# Altium PCB EPROM Emulator NG 2.PcbDoc (part 1 of 2) (continued)
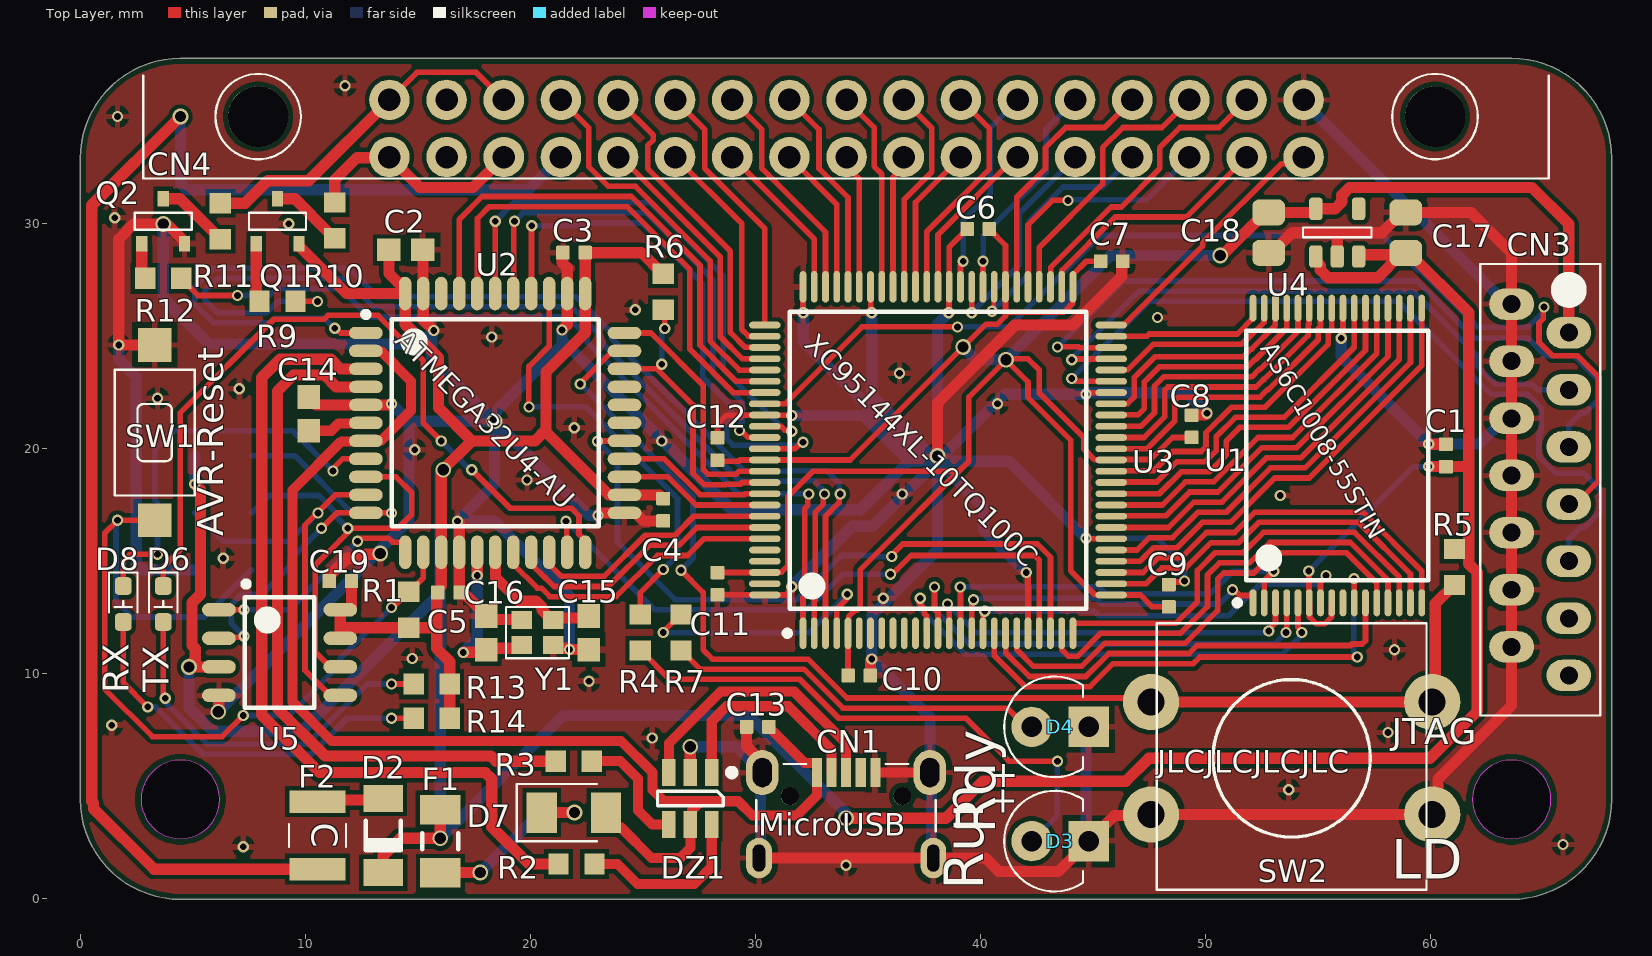
[diagram p0: Top Layer view]
## Part data
C1 C3 C4 C5 C6 C7 C8 C9 C10 C11 C12 C13 C19: library part CMP-Capacitors-Ceramic_Capacitors-00034-3, "CAP CER 0.1UF 10V X7R 0402", Case Code (Imperial)=0402, Case Code (Metric)=1005, Dielectric=X7R, Max Operating Temperature=125°C, Min Operating Temperature=-55°C, Package Quantity=1, Tolerance=10%, Voltage=10V, Capacitance=100nF, Case/Package=0402, Depth=0.5mm, Dissipation Factor=0.035%, Height=0.5mm, Lead Free="Lead Free", Length=1mm, Mount="Surface Mount", Number of Pins=2, Packaging="Tape and Reel", Radiation Hardening=No, REACH SVHC="No SVHC", Termination=SMD/SMT, Thickness=0.022inch, Voltage Rating=10V, Voltage Rating (DC)=10V, Width=0.02inch
C2 C14: library part CMP-Capacitors-Ceramic_Capacitors-00014-1, "KEMET 1F Multilayer Ceramic Capacitor (MLCC) 25 V 10% X7R dielectric C SMD max op. temp. +125C", Capacitance=1uF, Case Code (Imperial)=0603, Case Code (Metric)=1608, Dielectric=X7R, Dielectric Material=Ceramic, Max Operating Temperature=125°C, Min Operating Temperature=-55°C, Package Quantity=1, Tolerance=10%, Voltage=25V, Case/Package=0603, Depth=0.8mm, Dissipation Factor=5%, Height=0.8mm, Length=1.6mm, Mount="Surface Mount", Packaging="Tape and Reel", REACH SVHC="No SVHC", Termination=SMD/SMT, Thickness=0.034inch, Voltage Rating=25V, Voltage Rating (DC)=25V, Width=0.031inch
C15 C16: library part CMP-Capacitors-Ceramic_Capacitors-00013-1, "22.0PF 50.0V", Capacitance=2.2E-11F, Case/Package=0603, Dielectric=X7R, Dielectric Material=Ceramic, Tolerance=5%, Voltage Rating (DC)=50V
C17 C18: library part CMP-Capacitors-Ceramic_Capacitors-00016-2, "KEMET - C0805C106K8RACTU - CAP, 10µF, 10V, 10%, X7R, 0805", Capacitance=10uF, Case Code (Imperial)=0805, Case Code (Metric)=2012, Dielectric=X7R, Dielectric Material=Ceramic, Max Operating Temperature=125°C, Min Operating Temperature=-55°C, Package Quantity=1, Tolerance=10%, Voltage=10V, Case/Package=0805, Depth=1.25mm, Dissipation Factor=7.5%, Height=1.25mm, Length=2mm, Mount="Surface Mount,PCB", Packaging="Tape and Reel", REACH SVHC="No SVHC", Termination=SMD/SMT, Thickness=0.055inch, Voltage Rating=10V, Voltage Rating (DC)=10V, Width=1.2mm
CN1: library part CMP-Connectors-USB_Connectors-00001-1, "Socket micro-USB B 5P, 629105150521, Würth Elektronik", Connector Type=USB, Contact Material="Copper Alloy", Contact Plating=Gold, Features=Shielded, Gender=Receptacle, Lead Free="Lead Free", Mount="Surface Mount,Horizontal", Number of Contacts=5, Orientation="Right Angle", Packaging="Tape and Reel", REACH SVHC=Unknown, Termination=SMD/SMT, USB Standard="USB 2.0"
CN2: library part CMP-Connectors-00012-2, "SMD Pad Connector 02x03 odd even"
CN3: library part CMP-Connectors-IDC_Connectors-00033-2, "Grid pitch: 1.27 mm BL2/15-0400GTT-014 RU MPE Garry Conten", Contact Material=Bronze,Tin, Height=3.95mm, Insulation Material=Thermoplastic, Length=19.7mm, Pitch=1.27mm, Width=5mm
CN4: library part CMP-Connectors-IDC_Connectors-00029-1, "Conn Ejector Header HDR 34 POS 2.54mm Solder RA Thru-Hole Loose Piece", Color=Black, Contact Current Rating=1A, Flammability Rating="UL94 V-0", Insulation Resistance=5GR, Max Operating Temperature=105°C, Min Operating Temperature=-65°C, Package Quantity=24, Board Standoff="No (Without)", Connector System=Board-to-Board, Connector Type=Plug,Header,Pin, Contact Material=Brass, Contact Mating Length=0.24inch, Contact Plating=Gold,Tin,Matte, Contact Post Length=2.79mm, Contact Shape=Square, ELV=Compliant, Fastening Type=Latch, Height=13.94mm, Housing Color=Black, Housing Material=Nylon, Lead Free="Lead Free", Length=2.46inch, Mating Alignment="Yes (With)", Mating Connector Lock="Yes (With)", Mating Retention="Yes (With)", Mount="Through Hole", Number of Contacts=34, Number of Positions=34, Number of Rows=2, Orientation="Right Angle", Packaging=Tray, PCB Mount Alignment="No (Without)", PCB Mount Retention=Without, PCB Mounting Orientation="Right Angle", PCB Thickness=1.57mm, Pitch=2.54mm, Plating Thickness=0.76um, Radiation Hardening=No, Row Spacing=2.54mm, Shrouded="Yes (With)", Shrouded End Dimension=3.81mm, Termination="Through Hole"
D2: library part CMP-Diodes-00019-1, "STMICROELECTRONICS         TMMBAT48FILM..             Small Signal Schottky Diode, Single, 40 V, 350 mA, 900 mV, 7.5 A, 125 C", Average Rectified Current=350mA, Capacitance=20pF, Case/Package=MELF, Forward Voltage=900mV, Max Forward Surge Current (Ifsm)=7.5A, Max Operating Temperature=125°C, Max Power Dissipation=330mW, Max Repetitive Reverse Voltage (Vrrm)=40V, Max Reverse Current=25uA, Min Operating Temperature=-65°C, Package Quantity=1, Current Rating=350mA, Element Configuration=Single, Forward Current=350mA, Height=1.62mm, Lead Free="Lead Free", Length=3.4mm, Max Reverse Leakage Current=25uA, Max Reverse Voltage (DC)=40V, Max Surge Current=7.5A, Mount="Surface Mount", Number of Pins=2, Output Current=350mA, Outside Diameter=1.62mm, Packaging="Tape and Reel", Peak Non-Repetitive Surge Current=7.5A, Polarity=Standard, Radiation Hardening=No, REACH SVHC="No SVHC", Recovery Time=10ns, Reverse Recovery Time=10ns, Termination=SMD/SMT, Voltage Rating (DC)=40V, Weight=0.01lb, Width=1.62mm
D3: library part CMP-LEDs-00000-4, "WURTH ELEKTRONIK   151033RS03000   LED, 3MM,  RED, 2600MCD, 621NM", Case/Package=Radial, Color=Red, Forward Current=30mA, Forward Voltage=2V, Max Operating Temperature=85°C, Min Operating Temperature=-40°C, Package Quantity=1, Test Current=20mA, Dominant Wavelength=621nm, Height=5.55mm, Lens Size=3mm, Lens Style=Clear,Circular,Round, Luminous Intensity=2600mcd, Mount="Through Hole", Packaging=Bulk, REACH SVHC=Unknown, Viewing Angle=30°, Wavelength=621nm
D4: library part CMP-LEDs-00007-1, "WURTH ELEKTRONIK - 151033GS03000 - LED, Green, T-1 (3mm), 530 nm, 3.2 V, 30 mA, 15 cd RoHS Compliant: Yes", Case/Package=Radial, Color=Green, Forward Current=30mA, Forward Voltage=3.2V, Max Operating Temperature=85°C, Min Operating Temperature=-40°C, Package Quantity=1, Test Current=20mA, Dominant Wavelength=530nm, Height=5.55mm, Lens Size=3mm, Lens Style=Clear,Round,Circular, Luminous Intensity=15000mcd, Mount="Through Hole", Packaging=Bulk, REACH SVHC=Unknown, Viewing Angle=30°, Wavelength=530nm
D6 D8: library part CMP-LEDs-00003-2, "LED YELLOW DIFFUSED 0603 SMD", Case Code (Imperial)=0603, Case Code (Metric)=1608, Color=Yellow, Forward Voltage=2V, Test Current=20mA, Case/Package=0603, Dominant Wavelength=589nm, Height=0.5mm, Length=1.6mm, Lens Size=0.8mm, Lens Style=Flat, Lens Transparency=Diffused, Luminous Intensity=100mcd, Mount="Surface Mount", Packaging="Cut Tape", Viewing Angle=140°, Width=0.8mm
D7: library part CMP-Diodes-00014-2, "DIODE SCHOTTKY 40V 1A DO221AC", Average Rectified Current=1A, Max Reverse Voltage (DC)=40V, Mount="Surface Mount", Packaging="Tape and Reel"
DZ1: library part CMP-Diodes-00005-3, "TVS DIODE 5.25V 17V SOT23-6", Breakdown Voltage=6V, Capacitance=3.5pF, Case/Package=SOT-23, Clamping Voltage=17V, Leakage Current=150nA, Max Operating Temperature=125°C, Min Operating Temperature=-40°C, Operating Supply Voltage=1.1V, Package Quantity=3000, Peak Pulse Current=5A, Power Line Protection=Yes, Reverse Standoff Voltage=5.25V, Test Current=1mA, Working Voltage=5V, Contact Plating=Tin,Matte, Data Rate=480Mbps, Depth=1.75mm, Direction=Unidirectional,Bidirectional, Element Configuration=Dual, ESD Protection=Yes, Height=1.3mm, Lead Free="Lead Free", Length=3.05mm, Max Breakdown Voltage=6V, Max Reverse Leakage Current=150nA, Min Breakdown Voltage=6V, Mount="Surface Mount", Number of Bidirectional Channels=2, Number of Channels=2, Number of Elements=1, Number of Pins=6, Packaging="Tape and Reel", Polarity=Unidirectional,Bidirectional, Radiation Hardening=No, REACH SVHC="No SVHC", Reverse Breakdown Voltage=6V, Termination=SMD/SMT, Width=1.75mm
F1: library part CMP-Fuses-0001-1, "PTC RESET FUSE 8V 1.5A 1206", Case Code (Imperial)=1206, Case Code (Metric)=3216, Current Rating=100A, Hold Current=1.5A, Max Operating Temperature=85°C, Max Voltage Rating (DC)=8V, Min Operating Temperature=-40°C, Package Quantity=3000, Power Dissipation=800mW, Resistance=120mR, Trip Current=3A, Working Voltage=6V, Approvals=cULus,TUV, Case/Package=1206, Height=0.75mm, Lead Free="Lead Free", Length=3.4mm, Max Current Rating=100A, Operating Supply Voltage=8V, Packaging="Tape and Reel", REACH SVHC=Unknown, Terminal Material=Copper, Termination=SMD/SMT, Time to Trip=0.3s, Voltage Rating=8V, Voltage Rating (DC)=8V, Width=1.8mm
F2: library part CMP-Fuses-0003-1, "LITTELFUSE - 1210L020WR - PPTC Resettable Fuse, SMD, POLYFUSE 1210L Series, 200 mA, 400 mA, 30 VDC, -40 °C", Case Code (Imperial)=1210, Case Code (Metric)=3225, Current Rating=10A, Hold Current=200mA, Max Operating Temperature=85°C, Max Voltage Rating (DC)=30V, Min Operating Temperature=-40°C, Package Quantity=3000, Power Dissipation=600mW, Resistance=5R, Trip Current=400mA, Approvals=cULus,TUV, Case/Package=1210, Height=1mm, Lead Free="Lead Free", Length=3.43mm, Max Current Rating=10A, Operating Supply Voltage=30V, Packaging="Tape and Reel", REACH SVHC="No SVHC", Terminal Material=Copper, Termination=SMD/SMT, Time to Trip=0.02s, Voltage Rating=30V, Voltage Rating (DC)=30V, Width=2.8mm, Working Voltage=30V
Q1: library part CMP-Transistors-00012-1, "ON SEMICONDUCTOR - MMBT4403LT1G - Bipolar (BJT) Single Transistor, General Purpose, PNP, -40 V, 200 MHz, 300 mW, -600 mA, 200 RoHS Compliant: Yes", Case/Package=SOT-23-3, Collector Base Voltage (VCBO)=40V, Collector Emitter Saturation Voltage=-750mV, Current Rating=-600mA, Emitter Base Voltage (VEBO)=5V, Frequency=200MHz, Max Collector Current=600mA, Max Operating Temperature=150°C, Max Power Dissipation=300mW, Min Operating Temperature=-55°C, Package Quantity=1, Voltage Rating (DC)=-40V, Collector Emitter Breakdown Voltage=40V, Collector Emitter Voltage (VCEO)=40V, Contact Plating=Tin,Matte, Element Configuration=Single, Gain Bandwidth Product=200MHz, Height=1.01mm, hFE Min=30, Lead Free="Lead Free", Length=3.04mm, Max Breakdown Voltage=40V, Max Frequency=200MHz, Number of Elements=1, Number of Pins=3, Packaging="Tape and Reel", Polarity=PNP, Power Dissipation=300mW, Radiation Hardening=No, REACH SVHC="No SVHC", Transition Frequency=200MHz, Width=1.4mm
Q2: library part CMP-Transistors-00013-1, "ON SEMICONDUCTOR - MMBT4401 - TRANSISTOR, NPN, SMD, SOT-23", Case/Package=SOT-23, Collector Base Voltage (VCBO)=60V, Collector Emitter Breakdown Voltage=40V, Collector Emitter Saturation Voltage=750mV, Current Rating=500mA, Emitter Base Voltage (VEBO)=6V, Frequency=250MHz, Max Collector Current=600mA, Max Operating Temperature=150°C, Max Power Dissipation=350mW, Min Operating Temperature=-55°C, Package Quantity=1, Collector Emitter Voltage (VCEO)=40V, Contact Plating=Tin,Matte, Element Configuration=Single, Gain Bandwidth Product=250MHz, Height=0.25inch, hFE Min=100, Lead Free="Lead Free", Length=0.25inch, Max Breakdown Voltage=40V, Max Frequency=250MHz, Mount="Surface Mount", Number of Elements=1, Number of Pins=3, Packaging="Tape and Reel", Polarity=NPN, Power Dissipation=350mW, Radiation Hardening=No, REACH SVHC="No SVHC", Transition Frequency=250MHz, Turn-Off Delay Time=255ns, Turn-On Delay Time=35ns, Voltage Rating (DC)=40V, Weight=0.03g, Width=0.25inch
R1 R4 R7 R13 R14: library part CMP-Resistors-Yageo_SMD_060300002-2, "RES SMD 1K OHM 1% 1/10W 0603", Case Code (Imperial)=0603, Case Code (Metric)=1608, Max Operating Temperature=155°C, Min Operating Temperature=-55°C, Power Rating=100mW, Resistance=1kR, Resistor Type="Thick Film", Temperature Coefficient=100ppm/°C, Tolerance=1%, Voltage Rating=50V, Case/Package=0603, Contact Plating=Tin,Matte, Depth=0.8mm, Height=0.45mm, Lead Free="Lead Free", Length=1.6mm, Military Standard=Not, Packaging="Tape and Reel", Radiation Hardening=No, REACH SVHC="No SVHC", Termination=SMD/SMT
R2 R3: library part CMP-Resistors-Yageo_SMD_0805-0172-1, "RES SMD 22 OHM 1% 1/10W 0603", Case Code (Imperial)=0603, Case Code (Metric)=1608, Max Operating Temperature=155°C, Max Power Dissipation=100mW, Min Operating Temperature=-55°C, Package Quantity=1, Resistance=22R, Temperature Coefficient=100ppm/°C, Tolerance=1%, Voltage Rating=50V, Case/Package=0603, Composition="Thick Film", Depth=0.8mm, Features="Moisture Resistant", Height=0.022inch, Lead Free="Lead Free", Length=1.6mm, Military Standard=Not, Number of Pins=2, Number of Terminations=2, Packaging="Tape and Reel", Power Rating=100mW, REACH SVHC="No SVHC", Termination=SMD/SMT, Voltage Rating (DC)=50V, Width=0.031inch
R5 R6 R9: library part CMP-Resistors-Yageo_SMD_0805-0170-1, "RES SMD 10K OHM 1% 1/10W 0603", Case Code (Imperial)=0603, Case Code (Metric)=1608, Max Operating Temperature=155°C, Min Operating Temperature=-55°C, Power Rating=100mW, Resistance=10kR, Temperature Coefficient=100ppm/°C, Tolerance=1%, Voltage Rating=75V, Voltage Rating (DC)=50V, Case/Package=0603, Composition="Thick Film", Depth=0.8mm, Height=0.45mm, Lead Free="Lead Free", Lead Pitch=0.3mm, Length=1.6mm, Military Standard=Not, Number of Pins=2, Packaging="Tape and Reel", REACH SVHC="No SVHC", Termination=SMD/SMT, Weight=7.1E-05oz, Width=0.8mm
R10 R11: library part CMP-Resistors-Yageo_SMD_060300004-2, "YAGEO (PHYCOMP) - RC0603FR-0710RL - RES, THICK FILM, 10R, 1%, 0.1W, 0603", Case Code (Imperial)=0603, Case Code (Metric)=1608, Max Operating Temperature=155°C, Min Operating Temperature=-55°C, Power Rating=100mW, Resistance=10R, Resistor Type="Thick Film", Temperature Coefficient=200ppm/°C, Tolerance=1%, Voltage Rating=50V, Case/Package=0603, Contact Plating=Tin,Matte, Depth=0.8mm, Height=0.45mm, Lead Free="Lead Free", Length=1.6mm, Military Standard=Not, Number of Pins=2, Packaging="Tape and Reel", Radiation Hardening=No, REACH SVHC="No SVHC", Termination=SMD/SMT, Voltage Rating (DC)=50V, Width=0.8mm
R12: library part CMP-Resistors-Yageo_SMD_0805-0169-1, "RES SMD 4.7K OHM 1% 1/10W 0603", Case Code (Imperial)=0603, Case Code (Metric)=1608, Max Operating Temperature=155°C, Min Operating Temperature=-55°C, Power Rating=100mW, Resistance=4.7kR, Temperature Coefficient=100ppm/°C, Tolerance=1%, Voltage Rating=50V, Case/Package=0603, Composition="Thick Film", Depth=0.8mm, Height=0.45mm, Lead Free="Lead Free", Lead Pitch=0.3mm, Length=1.6mm, Military Standard=Not, Number of Pins=2, Packaging="Tape and Reel", REACH SVHC="No SVHC", Termination=SMD/SMT, Voltage Rating (DC)=50V, Width=0.8mm
SW1: library part CMP-Switches-00003-1, "SWITCH TACTILE SPST-NO 0.05A 12V", Current Rating=50mA, Operating Force=250gf, Package Quantity=3000, Voltage Rating (DC)=12V, Actuator Material=Nylon,Polyamide, Illumination Type=Non-Illuminated, Lead Free="Lead Free", Mechanical Life=50000Cycles, Mount="Surface Mount", Packaging="Tape and Reel", Switch Function=Off-Mom, Switch Travel=0.25mm, Termination="Gull Wing", Throw Configuration=SPST
SW2: library part CMP-Switches-0011-3, "Black Button Tactile Switch, NO 50 mA 5mm Through Hole", Contact Current Rating=50mA, Max Operating Temperature=85°C, Min Operating Temperature=-40°C, Operating Force=160gf, Actuator Length=5mm, Actuator Material="Polymer,Liquid Crystal Polymer", Actuator Type=Standard, Contact Material="Stainless Steel,Silver", Illumination Type=Non-Illuminated,Illuminated, Mechanical Life=500000Cycles, Mount="Through Hole", Packaging=Bulk, REACH SVHC="No SVHC", Switch Function=Off-Mom, Switch Travel=0.3mm, Termination="PC Pin", Throw Configuration=SPST
U1: library part CMP-ICs-Memory-00016-2, "Alliance Memory AS6C1008-55STIN SRAM Memory, 1048576bit, 2.7  5.5 V, 55ns 32-Pin STSOP", Case/Package=TSOP, Max Operating Temperature=85°C, Max Supply Voltage=5.5V, Min Operating Temperature=-40°C, Min Supply Voltage=2.7V, Operating Supply Voltage=3V, Package Quantity=234, Access Time=55ns, Address Bus Width=17b, Density=1Mb, Height=1mm, Interface=Parallel, Lead Free="Lead Free", Length=11.8mm, Memory Size=1Mb, Memory Type="RAM,SRAM - Asynchronous,SDR", Mount="Surface Mount", Number of Pins=32, Number of Ports=1, Number of Words=128000, Packaging=Tray, Radiation Hardening=No, Width=8mm
U2: library part CMP-ICs-00004-1, "ATMEL         ATMEGA32U4-AU            MCU, 8BIT, MEGAAVR, 16MHZ, TQFP-44", Case/Package=TQFP, Frequency=16MHz, Max Operating Temperature=85°C, Max Supply Voltage=5.5V, Min Operating Temperature=-40°C, Min Supply Voltage=2.7V, Package Quantity=800, Core Architecture=AVR, Data Bus Width=8b, Height=1.05mm, Interface=SPI,USART,I2C,USB,UART,I2S, Lead Free="Lead Free", Length=10mm, Max Frequency=16MHz, Memory Size=32KB, Memory Type=FLASH, Mount="Surface Mount", Number of ADC Channels=12, Number of I2C Channels=1, Number of I/Os=26, Number of Pins=44, Number of Programmable I/O=26, Number of PWM Channels=8, Number of SPI Channels=1, Number of Timers/Counters=5, Oscillator Type=External, Packaging=Tray, Peripherals="Brown-out Detect/Reset,POR,PWM,WDT", Radiation Hardening=No, RAM Size=2.5KB, REACH SVHC="No SVHC", Watchdog Timer=Yes, Width=10mm
U3: library part CMP-ICs-CPLD_FPGA-00000-1, "IC CPLD 144MC 7.5NS 100TQFP", Case/Package=LQFP, Max Frequency=125MHz, Max Operating Temperature=70°C, Max Supply Voltage=3.6V, Min Operating Temperature=0°C, Min Supply Voltage=3V, Operating Supply Voltage=3.3V, Package Quantity=90, Contact Plating=Tin,Lead, Lead Free="Contains Lead", Memory Type=FLASH, Mount="Surface Mount", Number of Gates=3200, Number of I/Os=81, Number of Logic Blocks (LABs)=8, Number of Logic Elements/Cells=8, Number of Macrocells=144, Number of Pins=100, Packaging=Tray, Propagation Delay=7.5ns, Speed Grade=7, Turn-On Delay Time=7.5ns
U4: library part CMP-ICs-Power_Supply-00002-2, "LDO Regulator Pos 3.3V 0.15A 5-Pin SOT-23 T/R", Case/Package=SOT-23, Dropout Voltage=210mV, Max Input Voltage=16V, Max Operating Temperature=125°C, Max Output Current=150mA, Min Input Voltage=2.5V, Min Operating Temperature=-40°C, Min Output Voltage=3.3V, Quiescent Current=1uA, Accuracy=1%, Height=1.15mm, Lead Free="Lead Free", Length=2.9mm, Mount="Surface Mount", Number of Outputs=1, Number of Pins=5, Number of Regulators=1, Output Current=150mA, Output Type=Fixed, Output Voltage=3.3V, Packaging="Tape and Reel", Polarity=Positive, Radiation Hardening=No, Width=1.6mm
U5: library part CMP-ICs-Memory-00015-1, "IC, SM, EEPROM, SERIAL, 512K, SOIC8", Case/Package=SOIC, Frequency=20MHz, Max Operating Temperature=85°C, Max Supply Voltage=5.5V, Min Operating Temperature=-40°C, Min Supply Voltage=2.5V, Nominal Supply Current=5mA, Package Quantity=100, Access Time=50ns, Density=512Kb, Height=1.25mm, Interface=SPI,Serial, Lead Free="Lead Free", Length=4.9mm, Max Frequency=20MHz, Memory Size=512Kb, Memory Type=EEPROM, Mount="Surface Mount", Number of Pins=8, Packaging=Rail/Tube, Radiation Hardening=No, REACH SVHC="No SVHC", Width=3.9mm
Y1: library part CMP-Crystals_Oscilators-00001-1, "16MHz ±10ppm 9pF 200Ω SMD,2.0x1.6mm SMD Crystal Resonators RoHS"

## Via types
v1: diameter 0.5, hole 0.3, Top Layer to Bottom Layer, tented both sides, 121 vias
v2: diameter 0.7, hole 0.5, Top Layer to Bottom Layer, tented both sides, 16 vias

## Nets (pads, with @x,y where several pads share a name; then routed paths per layer and width w, separated by ;. In a path a pad name is that pad's centre, name@x,y a point inside that pad or via, vN(x,y) a via of type N, cw(c..) or ccw(c..) an arc to the next point about the centre after c; other vN are vias at no path point)
+3V3: C6.2 C7.2 C8.2 C9.2 C10.2 C11.2 C12.2 C18.2 CN3.2 U3.5 U3.26 U3.38 U3.51 U3.57 U3.88 U3.98 U4.5 | length 120.1
  Top Layer w0.25: C11.2@28.321,14.482 30.989,14.482 31.014,14.507 31.172,14.507 31.45,14.785 31.45,17.86 32.572,18.982 39.048,18.982 ; C12.2@28.321,19.482 28.371,19.432 29.272,19.432 29.322,19.482 34.214,19.482 v2(39.243,24.511) 40.259,25.527 40.767,25.527 41.125,25.885 41.125,26.035 ; C10.2@34.125,9.906 U3.5@34.125,11.782 34.135,11.791 34.135,12.377 34.15,12.392 34.15,12.529 34.429,12.807 34.52,12.807 34.666,12.953 34.666,14.482 34.666,14.6 35.443,15.377 39.048,18.982 ; C6.2@40.411,29.752 40.411,29.742 41.125,29.027 U3.57@41.125,27.182 41.125,26.035 ; C7.2@45.352,28.321 44.715,28.321 44.125,27.732 U3.51@44.125,27.182 44.116,27.172 44.116,26.45 43.722,26.057 41.147,26.057 41.125,26.035 ; C9.2@48.387,12.954 47.652,12.954 47.124,13.482 U3.26@45.825,13.482 45.816,13.491 45.094,13.491 44.023,14.563 44.023,20.369 42.125,22.266 42.125,22.959 v2(41.148,23.936) ; C8.2@49.403,20.486 48.559,20.486 47.579,19.507 46.436,19.507 46.42,19.491 45.835,19.491 U3.38@45.825,19.482 45.816,19.491 45.094,19.491 44.604,19.982 44.604,20.48 42.625,22.459 42.625,23.482 42.125,23.982 41.194,23.982 v2(41.148,23.936) ; 39.048,18.982 39.497,19.431 39.497,22.285 v2(41.148,23.936)
  Top Layer w0.5: v2(50.673,28.575) 50.76,28.575 52.676,30.491 C18.2@52.826,30.491 54.874,30.491 54.924,30.541 U4.5@54.924,30.651 55.774,30.651 56.074,30.951 56.074,31.25 56.426,31.601 64.538,31.601 66.167,29.972 CN3.2@66.167,25.146
  Bottom Layer w0.5: v2(39.243,24.511) 39.818,23.936 v2(41.148,23.936) 45.787,28.575 v2(50.673,28.575)
+5V: C1.2 C2.2 C3.2 C4.2 C5.2 C17.2 C19.2 CN2.2 D2.1 F1.2 Q1.2 R1.2 R5.2 R6.2 R13.1 R14.1 U1.6 U1.8 U2.14 U2.24 U2.34 U2.44 U4.1 U4.3 U5.3 U5.7 U5.8 | length 201.8
  Top Layer w0.25: v1(54.61,14.545) 54.62,14.535 54.62,13.145 U1.6@54.63,13.135 54.64,13.125 54.64,12.504 54.933,12.21 55.327,12.21 55.62,12.504 55.62,13.125 U1.8@55.63,13.135
  Top Layer w0.5: v1(5.08,18.415) 5.334,18.161 5.334,13.515 4.957,13.138 4.957,11.246 5.109,11.094 5.109,10.624 4.826,10.341 v2(4.826,10.287) U5.3@6.157,10.287 ; Q1.2@9.713,29.099 9.713,28.999 11.829,26.883 U2.44@14.44,26.883 ; U5.7@11.557,11.557 11.557,12.192 ; C19.2@12.052,14.097 12.052,12.899 11.98,12.827 U5.8@11.557,12.827 11.557,12.192 ; D2.1@13.462,1.14 13.462,1.905 14.224,2.667 v2(16.002,2.667) F1.2@16.002,3.94 ; C2.2@13.716,28.829 13.716,27.779 14.128,27.367 14.417,27.367 14.44,27.344 U2.44@14.44,26.883 ; C5.2@15.888,13.589 15.838,13.539 15.838,12.361 ; C5.2@16.04,13.894 U2.14@16.04,15.383 v2@16.04,18.974 ; v2@16.123,19.056 17.399,20.333 ; R14.1@16.421,8.001 R13.1@16.421,9.525 16.421,10.529 15.838,11.112 15.838,12.361 ; C3.2@22.44,28.702 C3.2@22.44,28.692 ; C4.2@25.908,17.767 25.898,17.767 25.732,17.933 U2.24@24.19,17.933 24.181,17.942 23.481,17.942 20.701,20.722 20.701,20.828 ; R6.2@25.908,27.762 25.883,27.762 24.943,28.702 22.49,28.702 22.48,28.692 C3.2@22.44,28.692 ; v2@34.041,3.556 38.481,3.556 40.132,5.207 46.482,5.207 47.498,6.223 60.002,6.223 62.103,8.324 62.103,14.477 61.722,14.858 61.722,15.621 ; U4.1@54.924,28.531 54.924,28.331 55.124,28.131 55.124,27.932 55.476,27.581 57.662,27.581 C17.2@58.692,28.611 ; U4.3@56.824,28.531 56.824,28.561 56.874,28.611 C17.2@58.692,28.611 ; v1(59.944,19.19) 61.709,19.19 61.722,19.177 ; R5.2@61.087,15.532 61.176,15.621 61.722,15.621 ; 11.557,12.192 11.722,12.027 R1.2@14.605,12.027 15.504,12.027 15.838,12.361 ; U2.44@14.44,26.883 14.44,25.519 15.92,24.04 15.92,21.812 17.399,20.333 ; 17.399,20.333 20.206,20.333 20.701,20.828 ; 20.701,20.828 20.701,23.393 22.44,25.133 U2.34@22.44,26.883 C3.2@22.44,28.692 ; C17.2@58.692,28.611 58.842,28.611 C17.2@58.922,28.691 59.072,28.691 61.722,26.041 61.722,19.177 ; 61.722,15.621 61.722,19.177
  Bottom Layer w0.25: v1(54.61,14.545) 59.255,19.19 v1(59.944,19.19)
  Bottom Layer w0.5: v2(4.826,10.287) 4.826,8.471 5.869,7.428 9.841,7.428 16.002,13.589 ; v1(5.08,18.415) CN2.2@5.08,19.673 ; v2(16.129,19.05) 16.129,18.996 16.002,18.869 16.002,13.589 ; v2(34.036,3.556) 33.998,3.594 33.998,3.843 32.4,5.44 29.712,8.128 21.463,8.128 v2(16.002,2.667) 16.002,13.589
A0: U1.20 U3.33 | length 17.4
  Top Layer w0.25: U3.33@45.825,16.982 45.835,16.991 46.42,16.991 46.436,17.007 48.261,17.007 49.316,18.062 50.567,18.062 52.537,20.032 54.072,20.032 58.13,24.09 U1.20@58.13,26.235
A1: U1.19 U3.32 | length 18.2
  Top Layer w0.25: U3.32@45.825,16.482 48.373,16.482 49.502,17.612 50.753,17.612 52.724,19.582 54.258,19.582 58.63,23.953 U1.19@58.63,26.235
A2: U1.18 U3.30 | length 19.2
  Top Layer w0.25: U3.30@45.825,15.482 46.972,15.482 47.522,16.032 48.559,16.032 49.689,17.162 50.94,17.162 52.91,19.132 54.445,19.132 59.13,23.817 U1.18@59.13,26.235
A3: U1.17 U3.29 | length 20
  Top Layer w0.25: U3.29@45.825,14.982 47.108,14.982 47.708,15.582 48.746,15.582 49.875,16.712 51.126,16.712 53.096,18.682 54.631,18.682 59.63,23.681 U1.17@59.63,26.235
A4: U1.16 U3.28 | length 17.4
  Top Layer w0.25: U3.28@45.825,14.482 47.245,14.482 47.895,15.132 48.932,15.132 50.062,16.262 51.312,16.262 52.218,17.167 57.019,17.167 59.63,14.556 U1.16@59.63,13.135
A5: U1.15 U3.27 | length 16.7
  Top Layer w0.25: U3.27@45.825,13.982 47.381,13.982 48.081,14.682 49.133,14.682 50.262,15.812 51.499,15.812 52.404,16.717 56.832,16.717 59.13,14.419 U1.15@59.13,13.135
A6: U1.14 U3.25 | length 19.4
  Top Layer w0.25: U3.25@44.125,11.782 44.125,12.209 44.148,12.232 48.708,12.232 49.657,13.181 49.657,14.57 50.449,15.362 51.685,15.362 52.591,16.267 56.646,16.267 58.63,14.283 U1.14@58.63,13.135
A7: U1.13 U3.24 | length 20
  Top Layer w0.25: U3.24@43.625,11.782 43.635,11.772 43.635,11.05 43.929,10.757 44.322,10.757 45.347,11.782 48.915,11.782 50.107,12.974 50.107,14.383 50.635,14.912 51.975,14.912 52.881,15.817 56.459,15.817 58.13,14.146 U1.13@58.13,13.135
A8: U1.2 U3.15 | length 18.1
  Top Layer w0.25: v1(39.116,13.843) 39.125,13.834 U3.15@39.125,11.782 ; U1.2@52.63,13.135 52.63,14.117 v1(53.051,14.538)
  Bottom Layer w0.25: v1(39.116,13.843) 45.28,13.843 45.592,13.531 50.221,13.531 51.228,14.538 v1(53.051,14.538)
A9: U1.3 U3.14 | length 17.5
  Top Layer w0.25: v1(38.55,13.081) 38.55,13.013 38.625,12.938 U3.14@38.625,11.782 ; v1(52.832,11.878) 52.832,11.946 53.13,12.244 U1.3@53.13,13.135
  Bottom Layer w0.25: v1(38.55,13.081) 39.439,12.192 39.82,11.811 52.588,11.811 52.607,11.83 52.784,11.83 v1(52.832,11.878)
A10: U1.31 U3.46 | length 8.3
  Top Layer w0.25: U3.46@45.825,23.482 45.835,23.491 46.557,23.491 47.703,24.638 51.619,24.638 51.845,24.864 51.881,24.864 52.62,25.604 52.62,26.225 U1.31@52.63,26.235
ADD_HIGH: U2.25 U3.92 | length 6.8
  Top Layer w0.25: U2.25@24.19,18.733 26.118,18.733 27.369,17.482 U3.92@30.425,17.482
ADD_LOW: U2.20 U3.93 | length 11.4
  Top Layer w0.25: U2.20@20.84,15.383 20.84,14.859 21.392,14.308 23.279,14.308 25.112,16.14 26.426,16.14 27.267,16.982 U3.93@30.425,16.982
AVR_R\S\T\: CN2.5 R1.1 SW1.2 U2.13 | length 39.2
  Top Layer w0.25: SW1.2@3.302,16.801 v1(1.651,16.801) 1.079,16.229 1.079,9.309 3.2,7.188 6.299,7.188 v1(7.239,8.128) ; v1@13.995,13.042 14.58,13.627 14.63,13.627 15.24,14.237 U2.13@15.24,15.383
  Bottom Layer w0.25: v1(1.651,16.801) 1.603,16.753 1.603,16.576 1.584,16.557 1.584,13.224 2.302,12.506 5.508,12.506 7.595,14.593 CN2.5@7.62,14.593 ; v1(7.239,8.128) 9.271,8.128 11.526,10.383 11.526,10.624 v1(13.829,12.927)